# Altium PCB BreakOutBoard_Cyclone.PcbDoc (part 6 of 7) (continued)
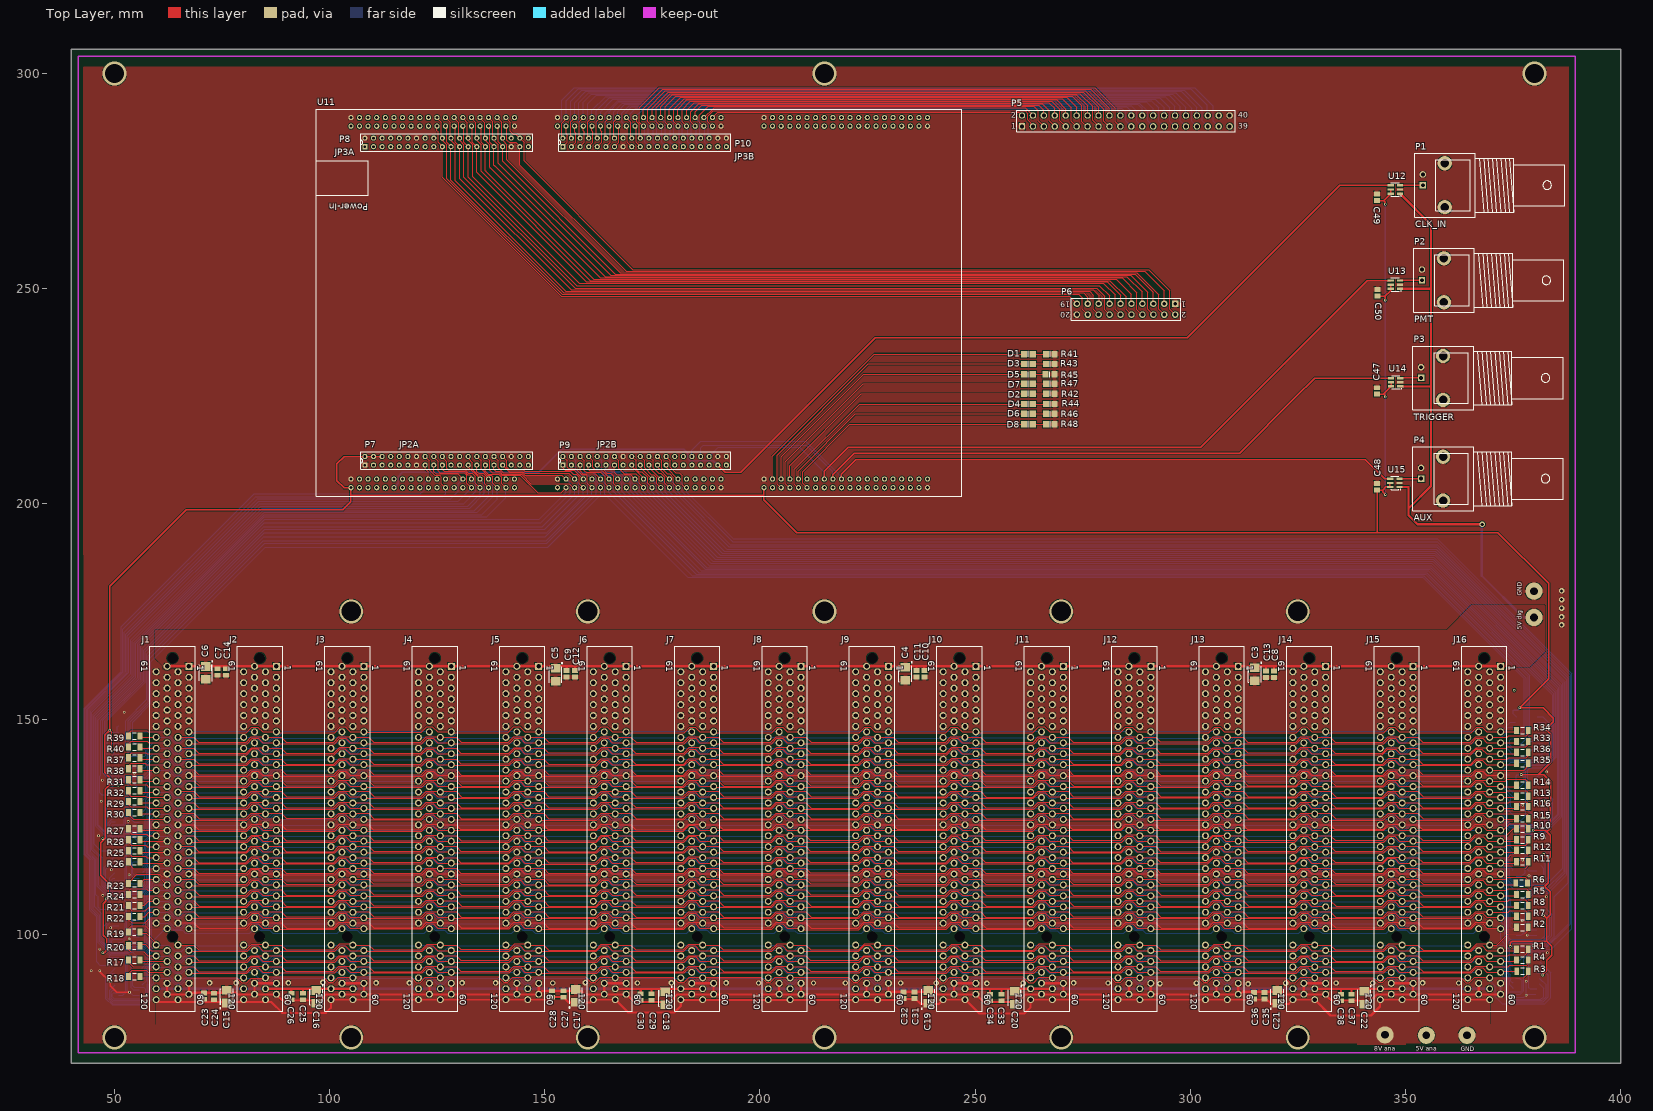
[diagram p0: Top Layer view]
## Nets (pads, with @x,y where several pads share a name; then routed paths per layer and width w, separated by ;. In a path a pad name is that pad's centre, name@x,y a point inside that pad or via, vN(x,y) a via of type N, cw(c..) or ccw(c..) an arc to the next point about the centre after c; other vN are vias at no path point) (continued)
BUS37: P9.1 U1.13 U11.1B8 | length 153.5
  Top Layer w0.15: P9.1@154.2,209 154.2,208.35 154.72,207.83 156.87,207.83 U11.1B8@158.95,205.75
  Bottom Layer w0.15: U1.13@51,143.135 51.835,143.135 52.6,143.9 52.6,149.64 57.5,154.54 57.5,165.15 84.68,192.33 150.14,192.33 160.01,202.2 160.01,204.72 U11.1B8@159.01,205.72
BUS37_N: J1.79 J2.79 J3.79 J4.79 J5.79 J6.79 J7.79 J8.79 J9.79 J10.79 J11.79 J12.79 J13.79 J14.79 J15.79 J16.79 R38.1 U1.14 | length 371.8
  Top Layer w0.15: R38.1@53.3,139.1 53.9,139.7 57.1,139.7 57.418,139.382 J1.79@62.23,139.382
  Bottom Layer w0.15: U1.14@51,144.405 49.605,144.405 48.823,143.623 48.823,137.807 50.12,136.51 57.31,136.51 58.04,137.24 58.04,139.14 58.3,139.4 J1.79@62.3,139.4 ; J1.79@62.1,139.4 62.1,139.1 64.2,137 65.2,137 66.5,138.3 67.9,138.3 69.023,139.422 J2.79@82.45,139.422 ; J2.79@82.42,139.4 82.42,139.1 84.52,137 85.52,137 86.82,138.3 88.22,138.3 89.343,139.422 J3.79@102.77,139.422 ; J3.79@102.74,139.4 102.74,139.1 104.84,137 105.84,137 107.14,138.3 108.54,138.3 109.663,139.422 J4.79@123.09,139.422 ; J4.79@123.06,139.4 123.06,139.1 125.16,137 126.16,137 127.46,138.3 128.86,138.3 129.983,139.422 J5.79@143.41,139.422 ; J5.79@143.38,139.4 143.38,139.1 145.48,137 146.48,137 147.78,138.3 149.18,138.3 150.303,139.422 J6.79@163.73,139.422 ; J6.79@163.7,139.4 163.7,139.1 165.8,137 166.8,137 168.1,138.3 169.5,138.3 170.623,139.422 J7.79@184.05,139.422 ; J7.79@184.02,139.4 184.02,139.1 186.12,137 187.12,137 188.42,138.3 189.82,138.3 190.943,139.422 J8.79@204.37,139.422 ; J8.79@204.34,139.4 204.34,139.1 206.44,137 207.44,137 208.74,138.3 210.14,138.3 211.263,139.422 J9.79@224.69,139.422 ; J9.79@224.66,139.4 224.66,139.1 226.76,137 227.76,137 229.06,138.3 230.46,138.3 231.583,139.422 J10.79@245.01,139.422 ; J10.79@244.98,139.4 244.98,139.1 247.08,137 248.08,137 249.38,138.3 250.78,138.3 251.903,139.422 J11.79@265.33,139.422 ; J11.79@265.3,139.4 265.3,139.1 267.4,137 268.4,137 269.7,138.3 271.1,138.3 272.223,139.422 J12.79@285.65,139.422 ; J12.79@285.62,139.4 285.62,139.1 287.72,137 288.72,137 290.02,138.3 291.42,138.3 292.543,139.422 J13.79@305.97,139.422 ; J13.79@305.94,139.4 305.94,139.1 308.04,137 309.04,137 310.34,138.3 311.74,138.3 312.863,139.422 J14.79@326.29,139.422 ; J14.79@326.26,139.4 326.26,139.1 328.36,137 329.36,137 330.66,138.3 332.06,138.3 333.183,139.422 J15.79@346.61,139.422 ; J15.79@346.58,139.4 346.58,139.1 348.68,137 349.68,137 350.98,138.3 352.38,138.3 353.503,139.422 J16.79@366.93,139.422
BUS37_P: J1.80 J2.80 J3.80 J4.80 J5.80 J6.80 J7.80 J8.80 J9.80 J10.80 J11.80 J12.80 J13.80 J14.80 J15.80 J16.80 R38.2 U1.15 | length 348.9
  Top Layer w0.15: R38.2@56,138.4 56.287,138.112 J1.80@59.69,138.112
  Bottom Layer w0.15: U1.15@50.7,145.7 49.5,145.7 48.43,144.63 48.43,137.69 49.95,136.17 57.59,136.17 58.51,137.09 58.51,137.79 58.832,138.112 J1.80@59.69,138.112 ; J1.80@59.6,138.1 62.5,138.1 63.9,136.7 65.5,136.7 66.8,138 79.758,138 J2.80@79.91,138.152 ; J2.80@79.92,138.1 82.82,138.1 84.22,136.7 85.82,136.7 87.12,138 100.078,138 J3.80@100.23,138.152 ; J3.80@100.24,138.1 103.14,138.1 104.54,136.7 106.14,136.7 107.44,138 120.398,138 J4.80@120.55,138.152 ; J4.80@120.56,138.1 123.46,138.1 124.86,136.7 126.46,136.7 127.76,138 140.718,138 J5.80@140.87,138.152 ; J5.80@140.88,138.1 143.78,138.1 145.18,136.7 146.78,136.7 148.08,138 161.038,138 J6.80@161.19,138.152 ; J6.80@161.2,138.1 164.1,138.1 165.5,136.7 167.1,136.7 168.4,138 181.358,138 J7.80@181.51,138.152 ; J7.80@181.52,138.1 184.42,138.1 185.82,136.7 187.42,136.7 188.72,138 201.678,138 J8.80@201.83,138.152 ; J8.80@201.84,138.1 204.74,138.1 206.14,136.7 207.74,136.7 209.04,138 221.998,138 J9.80@222.15,138.152 ; J9.80@222.16,138.1 225.06,138.1 226.46,136.7 228.06,136.7 229.36,138 242.318,138 J10.80@242.47,138.152 ; J10.80@242.48,138.1 245.38,138.1 246.78,136.7 248.38,136.7 249.68,138 262.638,138 J11.80@262.79,138.152 ; J11.80@262.8,138.1 265.7,138.1 267.1,136.7 268.7,136.7 270,138 282.958,138 J12.80@283.11,138.152 ; J12.80@283.12,138.1 286.02,138.1 287.42,136.7 289.02,136.7 290.32,138 303.278,138 J13.80@303.43,138.152 ; J13.80@303.44,138.1 306.34,138.1 307.74,136.7 309.34,136.7 310.64,138 323.598,138 J14.80@323.75,138.152 ; J14.80@323.76,138.1 326.66,138.1 328.06,136.7 329.66,136.7 330.96,138 343.918,138 J15.80@344.07,138.152 ; J15.80@344.08,138.1 346.98,138.1 348.38,136.7 349.98,136.7 351.28,138 364.238,138 J16.80@364.39,138.152
BUS38: P9.4 U1.3 U11.1B11 | length 156.2
  Bottom Layer w0.15: U1.3@55.8,144.405 54.595,144.405 54.2,144.8 54.2,149.3 58.45,153.55 58.45,163.3 85.05,189.9 150.72,189.9 162.98,202.16 U11.1B11@162.98,203.71 ; P9.4@156.2,211 157.2,210 157.2,207.8 157.7,207.3 161.1,207.3 161.9,206.5 161.9,205.4 162.8,204.5 162.8,203.9 U11.1B11@162.95,203.75
BUS38_N: J1.74 J2.74 J3.74 J4.74 J5.74 J6.74 J7.74 J8.74 J9.74 J10.74 J11.74 J12.74 J13.74 J14.74 J15.74 J16.74 R39.1 U1.2 | length 329.9
  Top Layer w0.15: R39.1@56,146.2 56.467,145.732 J1.74@59.69,145.732
  Bottom Layer w0.15: 56.832,145.732 J1.74@59.69,145.732 ; J1.74@59.6,145.8 62.5,145.8 63.97,144.33 65.43,144.33 66.68,145.58 79.638,145.58 J2.74@79.91,145.852 ; J2.74@79.92,145.8 82.82,145.8 84.31,144.31 85.73,144.31 87,145.58 99.958,145.58 J3.74@100.23,145.852 ; J3.74@100.24,145.8 103.14,145.8 104.6,144.34 106.08,144.34 107.33,145.59 120.288,145.59 J4.74@120.55,145.852 ; J4.74@120.56,145.8 123.46,145.8 124.93,144.33 126.484,144.33 127.714,145.56 140.578,145.56 J5.74@140.87,145.852 ; J5.74@140.88,145.8 143.78,145.8 145.29,144.29 146.724,144.29 147.994,145.56 160.898,145.56 J6.74@161.19,145.852 ; J6.74@161.2,145.8 164.1,145.8 165.595,144.305 167.005,144.305 168.29,145.59 181.248,145.59 J7.74@181.51,145.852 ; J7.74@181.52,145.8 184.42,145.8 185.82,144.4 186.135,144.4 186.137,144.397 187.243,144.397 187.245,144.4 187.42,144.4 188.6,145.58 201.558,145.58 J8.74@201.83,145.852 ; J8.74@201.84,145.8 204.74,145.8 206.25,144.29 207.63,144.29 208.95,145.61 221.908,145.61 J9.74@222.15,145.852 ; J9.74@222.16,145.8 225.06,145.8 226.463,144.397 227.883,144.397 227.885,144.4 228.094,144.4 229.274,145.58 242.198,145.58 J10.74@242.47,145.852 ; J10.74@242.48,145.8 245.38,145.8 246.82,144.36 248.34,144.36 249.62,145.64 262.578,145.64 J11.74@262.79,145.852 ; J11.74@262.8,145.8 265.7,145.8 267.15,144.35 268.65,144.35 269.9,145.6 282.858,145.6 J12.74@283.11,145.852 ; J12.74@283.12,145.8 286.02,145.8 287.44,144.38 289,144.38 290.2,145.58 303.158,145.58 J13.74@303.43,145.852 ; J13.74@303.44,145.8 306.34,145.8 307.82,144.32 309.26,144.32 310.57,145.63 323.528,145.63 J14.74@323.75,145.852 ; J14.74@323.76,145.8 326.66,145.8 328.12,144.34 329.6,144.34 330.89,145.63 343.848,145.63 J15.74@344.07,145.852 ; J15.74@344.08,145.8 346.98,145.8 348.45,144.33 349.91,144.33 351.19,145.61 364.148,145.61 J16.74@364.39,145.852
BUS38_P: J1.73 J2.73 J3.73 J4.73 J5.73 J6.73 J7.73 J8.73 J9.73 J10.73 J11.73 J12.73 J13.73 J14.73 J15.73 J16.73 R39.2 U1.1 | length 349.4
  Top Layer w0.15: R39.2@53.3,146.7 53.9,147.3 57.5,147.3 57.797,147.002 J1.73@62.23,147.002
  Bottom Layer w0.15: U1.1@56.803,147.002 J1.73@62.23,147.002 ; J1.73@62.1,147.1 62.1,146.8 64.27,144.63 65.131,144.63 65.805,145.304 ; 65.805,145.305 66.4,145.9 67.8,145.9 69.023,147.122 J2.73@82.45,147.122 ; J2.73@82.42,147.1 82.42,146.8 84.61,144.61 85.6,144.61 86.87,145.88 88.1,145.88 89.343,147.122 J3.73@102.77,147.122 ; J3.73@102.74,146.8 104.9,144.64 105.781,144.64 106.445,145.304 ; 106.445,145.305 107.03,145.89 108.43,145.89 109.663,147.122 J4.73@123.09,147.122 ; J4.73@123.06,146.8 125.23,144.63 126.36,144.63 127.63,145.9 128.76,145.9 129.983,147.122 J5.73@143.41,147.122 ; J5.73@143.38,146.8 145.59,144.59 146.6,144.59 147.87,145.86 149.04,145.86 150.303,147.122 J6.73@163.73,147.122 ; J6.73@163.7,146.8 165.803,144.697 166.799,144.697 167.405,145.304 ; 167.405,145.305 168,145.9 169.4,145.9 170.623,147.122 J7.73@184.05,147.122 ; J7.73@184.02,146.8 186.12,144.7 186.259,144.7 186.261,144.697 187.119,144.697 187.725,145.304 ; 187.725,145.305 188.32,145.9 189.72,145.9 190.943,147.122 J8.73@204.37,147.122 ; J8.73@204.47,147.002 204.47,146.8 205.91,145.36 205.919,145.36 206.581,144.697 207.439,144.697 208.65,145.909 ; 208.65,145.91 210.05,145.91 211.263,147.122 J9.73@224.69,147.122 ; J9.73@224.66,146.8 226.76,144.7 226.899,144.7 226.901,144.697 227.759,144.697 227.761,144.7 227.97,144.7 229.22,145.95 230.41,145.95 231.583,147.122 J10.73@245.01,147.122 ; J10.73@244.98,146.8 247.12,144.66 248.041,144.66 248.685,145.304 ; 248.685,145.305 249.33,145.95 250.73,145.95 251.903,147.122 J11.73@265.33,147.122 ; J11.73@265.3,146.8 267.45,144.65 268.351,144.65 269.005,145.304 ; 269.005,145.305 269.6,145.9 271,145.9 272.223,147.122 J12.73@285.65,147.122 ; J12.73@285.62,146.8 287.74,144.68 288.701,144.68 289.325,145.304 ; 289.325,145.305 289.92,145.9 291.32,145.9 292.543,147.122 J13.73@305.97,147.122 ; J13.73@305.94,146.8 308.12,144.62 308.961,144.62 309.645,145.304 ; 309.645,145.305 310.27,145.93 311.67,145.93 312.863,147.122 J14.73@326.29,147.122 ; J14.73@326.26,146.8 328.42,144.64 329.301,144.64 329.965,145.304 ; 329.965,145.305 330.61,145.95 332.01,145.95 333.183,147.122 J15.73@346.61,147.122 ; J15.73@346.58,146.8 348.75,144.63 349.73,144.63 351.01,145.91 352.29,145.91 353.503,147.122 J16.73@366.93,147.122
BUS39: P9.3 U1.5 U11.1B10 | length 156.4
  Bottom Layer w0.15: U1.5@55.8,141.865 55.765,141.9 54.1,141.9 53.7,142.3 53.7,149.4 58.1,153.8 58.1,163.95 84.97,190.82 150.51,190.82 161.95,202.26 161.95,204.72 U11.1B10@160.9,205.77 ; P9.3@156.2,209 156.2,207.4 156.8,206.8 159.9,206.8 U11.1B10@160.95,205.75
BUS39_N: J1.75 J2.75 J3.75 J4.75 J5.75 J6.75 J7.75 J8.75 J9.75 J10.75 J11.75 J12.75 J13.75 J14.75 J15.75 J16.75 R40.1 U1.6 | length 355.7
  Top Layer w0.15: R40.1@53.2,144.1 53.9,144.8 57.6,144.8 57.937,144.463 J1.75@62.23,144.463
  Bottom Layer w0.15: U1.6@56.7,140.6 57.3,140.6 57.6,140.9 57.6,143.1 58.963,144.463 J1.75@62.23,144.463 ; J1.75@62.1,144.5 62.1,144.2 64.2,142.1 65.2,142.1 66.5,143.4 67.9,143.4 69.023,144.522 J2.75@82.45,144.522 ; J2.75@82.42,144.5 82.42,144.2 84.52,142.1 85.52,142.1 86.82,143.4 88.22,143.4 89.343,144.522 J3.75@102.77,144.522 ; J3.75@102.74,144.5 102.74,144.2 104.84,142.1 105.84,142.1 107.14,143.4 108.54,143.4 109.663,144.522 J4.75@123.09,144.522 ; J4.75@123.06,144.5 123.06,144.2 125.16,142.1 126.16,142.1 127.46,143.4 128.86,143.4 129.983,144.522 J5.75@143.41,144.522 ; J5.75@143.38,144.5 143.38,144.2 145.48,142.1 146.48,142.1 147.78,143.4 149.18,143.4 150.303,144.522 J6.75@163.73,144.522 ; J6.75@163.7,144.5 163.7,144.2 165.8,142.1 166.8,142.1 168.1,143.4 169.5,143.4 170.623,144.522 J7.75@184.05,144.522 ; J7.75@184.02,144.5 184.02,144.2 186.12,142.1 187.12,142.1 188.42,143.4 189.82,143.4 190.943,144.522 J8.75@204.37,144.522 ; J8.75@204.34,144.5 204.34,144.2 206.44,142.1 207.44,142.1 208.74,143.4 210.14,143.4 211.263,144.522 J9.75@224.69,144.522 ; J9.75@224.66,144.5 224.66,144.2 226.76,142.1 227.76,142.1 229.06,143.4 230.46,143.4 231.583,144.522 J10.75@245.01,144.522 ; J10.75@244.98,144.5 244.98,144.2 247.08,142.1 248.08,142.1 249.38,143.4 250.78,143.4 251.903,144.522 J11.75@265.33,144.522 ; J11.75@265.3,144.5 265.3,144.2 267.4,142.1 268.4,142.1 269.7,143.4 271.1,143.4 272.223,144.522 J12.75@285.65,144.522 ; J12.75@285.62,144.5 285.62,144.2 287.72,142.1 288.72,142.1 290.02,143.4 291.42,143.4 292.543,144.522 J13.75@305.97,144.522 ; J13.75@305.94,144.5 305.94,144.2 308.04,142.1 309.04,142.1 310.34,143.4 311.74,143.4 312.863,144.522 J14.75@326.29,144.522 ; J14.75@326.26,144.5 326.26,144.2 328.36,142.1 329.36,142.1 330.66,143.4 332.06,143.4 333.183,144.522 J15.75@346.61,144.522 ; J15.75@346.58,144.5 346.58,144.2 348.68,142.1 349.68,142.1 350.98,143.4 352.38,143.4 353.503,144.522 J16.75@366.93,144.522
BUS39_P: J1.76 J2.76 J3.76 J4.76 J5.76 J6.76 J7.76 J8.76 J9.76 J10.76 J11.76 J12.76 J13.76 J14.76 J15.76 J16.76 R40.2 U1.7 | length 331.7
  Top Layer w0.15: R40.2@56.1,143.5 56.407,143.192 J1.76@59.69,143.192
  Bottom Layer w0.15: U1.7@56.6,139.3 57.9,140.6 57.9,142.2 58.893,143.192 J1.76@59.69,143.192 ; J1.76@59.6,143.2 62.5,143.2 63.9,141.8 65.5,141.8 66.8,143.1 79.758,143.1 J2.76@79.91,143.252 ; J2.76@79.92,143.2 82.82,143.2 84.22,141.8 85.82,141.8 87.12,143.1 100.078,143.1 J3.76@100.23,143.252 ; J3.76@100.24,143.2 103.14,143.2 104.54,141.8 106.14,141.8 107.44,143.1 120.398,143.1 J4.76@120.55,143.252 ; J4.76@120.56,143.2 123.46,143.2 124.86,141.8 126.46,141.8 127.76,143.1 140.718,143.1 J5.76@140.87,143.252 ; J5.76@140.88,143.2 143.78,143.2 145.18,141.8 146.78,141.8 148.08,143.1 161.038,143.1 J6.76@161.19,143.252 ; J6.76@161.2,143.2 164.1,143.2 165.5,141.8 167.1,141.8 168.4,143.1 181.358,143.1 J7.76@181.51,143.252 ; J7.76@181.52,143.2 184.42,143.2 185.82,141.8 187.42,141.8 188.72,143.1 201.678,143.1 J8.76@201.83,143.252 ; J8.76@201.84,143.2 204.74,143.2 206.14,141.8 207.74,141.8 209.04,143.1 221.998,143.1 J9.76@222.15,143.252 ; J9.76@222.16,143.2 225.06,143.2 226.46,141.8 228.06,141.8 229.36,143.1 242.318,143.1 J10.76@242.47,143.252 ; J10.76@242.48,143.2 245.38,143.2 246.78,141.8 248.38,141.8 249.68,143.1 262.638,143.1 J11.76@262.79,143.252 ; J11.76@262.8,143.2 265.7,143.2 267.1,141.8 268.7,141.8 270,143.1 282.958,143.1 J12.76@283.11,143.252 ; J12.76@283.12,143.2 286.02,143.2 287.42,141.8 289.02,141.8 290.32,143.1 303.278,143.1 J13.76@303.43,143.252 ; J13.76@303.44,143.2 306.34,143.2 307.74,141.8 309.34,141.8 310.64,143.1 323.598,143.1 J14.76@323.75,143.252 ; J14.76@323.76,143.2 326.66,143.2 328.06,141.8 329.66,141.8 330.96,143.1 343.918,143.1 J15.76@344.07,143.252 ; J15.76@344.08,143.2 346.98,143.2 348.38,141.8 349.98,141.8 351.28,143.1 364.238,143.1 J16.76@364.39,143.252
LED_0: D1.1 U11.1C4 | length 73.6
  Top Layer w0.15: U11.1C4@202.9,205.8 202.9,211.1 226.6,234.8 D1.1@261.4,234.8
LED_1: D3.1 U11.1C5 | length 74.2
  Top Layer w0.15: U11.1C5@204.9,203.7 204,204.6 204,211.3 225.2,232.5 D3.1@261.4,232.5
LED_2: D5.1 U11.1C6 | length 69.6
  Top Layer w0.15: U11.1C6@204.9,205.8 204.9,210.9 224.1,230.1 D5.1@261.4,230.1
LED_3: D7.1 U11.1C7 | length 69.5
  Top Layer w0.15: U11.1C7@206.9,203.7 205.9,204.7 205.9,209.8 224,227.9 D7.1@261.4,227.9
LED_4: D2.1 U11.1C8 | length 64.5
  Top Layer w0.15: U11.1C8@206.9,205.8 206.9,208.9 223.6,225.6 D2.1@261.4,225.6
LED_5: D4.1 U11.1C9 | length 64.4
  Top Layer w0.15: U11.1C9@208.9,203.7 208,204.6 208,208 223.2,223.2 D4.1@261.4,223.2
LED_6: D6.1 U11.1C10 | length 59.9
  Top Layer w0.15: U11.1C10@208.9,205.7 208.9,207.6 222.2,220.9 D6.1@261.4,220.9
LED_7: D8.1 U11.1C11 | length 60.3
  Top Layer w0.15: U11.1C11@211,203.7 U11.1C11@210.95,203.75 209.9,204.8 209.9,207.5 220.9,218.5 D8.1@261.4,218.5
NetD1_2: D1.2 R41.2 | length 2.9
  Top Layer w0.15: D1.2@263.6,234.8 R41.2@266.5,234.8
NetD2_2: D2.2 R42.2 | length 2.9
  Top Layer w0.15: D2.2@263.6,225.6 R42.2@266.5,225.6
NetD3_2: D3.2 R43.2 | length 3.1
  Top Layer w0.15: D3.2@263.4,232.5 R43.2@266.5,232.5
NetD4_2: D4.2 R44.2 | length 3.1
  Top Layer w0.15: D4.2@263.4,223.2 R44.2@266.5,223.2
NetD5_2: D5.2 R45.2 | length 2.9
  Top Layer w0.15: D5.2@263.5,230.1 R45.2@266.4,230.1
NetD6_2: D6.2 R46.2 | length 3
  Top Layer w0.15: D6.2@263.5,220.9 R46.2@266.5,220.9
NetD7_2: D7.2 R47.2 | length 3
  Top Layer w0.15: D7.2@263.5,227.9 R47.2@266.5,227.9
NetD8_2: D8.2 R48.2 | length 3.1
  Top Layer w0.15: D8.2@263.4,218.5 R48.2@266.5,218.5
NetP1_1: P1.1 U12.3 | length 5.4
  Top Layer w0.3: U12.3@348.65,274.05 P1.1@354.05,274.05
NetP2_1: P2.1 U13.3 | length 5
  Top Layer w0.3: U13.3@348.85,251.95 P2.1@353.85,251.95
NetP3_1: P3.1 U14.3 | length 4.6
  Top Layer w0.3: U14.3@349.05,229.25 P3.1@353.65,229.25
NetP4_1: P4.1 U15.3 | length 4.9
  Top Layer w0.3: U15.3@348.75,205.85 P4.1@353.65,205.85
PMT_IN: P9.36 U11.1C16 U13.4 | length 183.5
  Top Layer w0.3: U11.1C16@214.9,205.7 214.9,207.6 220.5,213.2 302.45,213.2 341.15,251.9 U13.4@346.575,251.9
  Bottom Layer w0.15: P9.36@188.2,211 190.3,213.1 209.2,213.1 214.95,207.35 U11.1C16@214.95,205.75
TRIGGER_IN: P9.34 U11.1C18 U14.4 | length 177.5
  Top Layer w0.3: U11.1C18@216.9,205.7 216.9,206.8 221.9,211.8 311.5,211.8 324.55,224.85 ; 324.45,224.75 328.9,229.2 U14.4@346.675,229.2
  Bottom Layer w0.15: P9.34@186.2,211 186.2,213 186.8,213.6 210.8,213.6 216.95,207.45 U11.1C18@216.95,205.75
TTL_OUT_0: P5.2 U11.2B3 | length 72.9
  Top Layer w0.15: U11.2B3@188.9,289.7 190.2,291 260.14,291 P5.2@260.9,290.24
TTL_OUT_1: P5.3 U11.2B4 | length 81.4
  Top Layer w0.15: U11.2B4@189,287.7 187.9,288.8 187.9,290.1 189.1,291.3 260.264,291.3 261.6,291.3 262.2,290.7 262.2,289.2 263.44,287.96 P5.3@263.44,287.7
TTL_OUT_2: P5.4 P10.36 U11.2B5 | length 83.4
  Top Layer w0.15: U11.2B5@187,289.7 189.35,292.05 261.65,292.05 263.44,290.26 P5.4@263.44,290.24
  Bottom Layer w0.15: U11.2B5@186.95,289.75 188,288.7 P10.36@188,285
TTL_OUT_3: P5.5 P10.35 U11.2B6 | length 92.3
  Top Layer w0.15: U11.2B6@186.9,287.7 185.9,288.7 185.9,290.3 187.95,292.35 263.65,292.35 264.7,291.3 264.7,288.98 P5.5@265.98,287.7
  Bottom Layer w0.15: U11.2B6@187.2,287.7 187.2,284 P10.35@188.2,283
TTL_OUT_4: P5.6 P10.34 U11.2B7 | length 90
  Top Layer w0.15: U11.2B7@184.95,289.75 184.95,291.15 186.45,292.65 264.85,292.65 266,291.5 P5.6@266,290.2
  Bottom Layer w0.15: U11.2B7@184.95,289.75 186,288.7 P10.34@186,285
TTL_OUT_5: P5.7 P10.33 U11.2B8 | length 97.9
  Top Layer w0.15: U11.2B8@185,287.7 183.9,288.8 183.9,291.1 185.75,292.95 265.65,292.95 267.22,291.38 267.22,289 P5.7@268.52,287.7
  Bottom Layer w0.15: U11.2B8@185.2,287.7 185.2,284 P10.33@186.2,283
TTL_OUT_6: P5.8 P10.32 U11.2B9 | length 95.5
  Top Layer w0.15: U11.2B9@182.95,289.75 182.95,291.45 184.75,293.25 267.15,293.25 268.5,291.9 P5.8@268.5,290.1
  Bottom Layer w0.15: U11.2B9@182.95,289.75 184,288.7 P10.32@184,285
TTL_OUT_7: P5.9 P10.31 U11.2B10 | length 103.5
  Top Layer w0.15: U11.2B10@183,287.7 181.9,288.8 181.9,291.6 183.85,293.55 267.85,293.55 269.7,291.7 269.7,289.06 P5.9@271.06,287.7
  Bottom Layer w0.15: U11.2B10@183.2,287.8 183.2,284 P10.31@184.2,283
TTL_OUT_8: P5.10 P10.30 U11.2B11 | length 100.6
  Top Layer w0.15: U11.2B11@180.95,289.75 180.95,291.75 183.05,293.85 268.985,293.85 271.1,291.735 P5.10@271.1,290.2
  Bottom Layer w0.15: U11.2B11@180.95,289.75 182,288.7 P10.30@182,285
TTL_OUT_9: P5.11 P10.29 U11.2B12 | length 108.6
  Top Layer w0.15: U11.2B12@181,287.8 180,288.8 180,291.7 182.45,294.15 270.24,294.15 272.3,292.09 272.3,288.9 273.5,287.7 P5.11@273.6,287.7
  Bottom Layer w0.15: U11.2B12@181.2,287.7 181.2,284 P10.29@182.2,283
TTL_OUT_10: P5.12 P10.28 U11.2B13 | length 105.8
  Top Layer w0.15: U11.2B13@178.95,289.75 178.95,291.85 181.55,294.45 271.35,294.45 273.6,292.2 P5.12@273.6,290.3
  Bottom Layer w0.15: U11.2B13@178.95,289.75 180,288.7 P10.28@180,285
TTL_OUT_11: P5.13 P10.27 U11.2B14 | length 114.2
  Top Layer w0.15: U11.2B14@178.9,287.8 178,288.7 178,292.3 180.45,294.75 272.55,294.75 274.8,292.5 274.8,288.8 275.9,287.7 P5.13@276.14,287.7
  Bottom Layer w0.15: U11.2B14@179.2,287.7 179.2,284 P10.27@180.2,283
TTL_OUT_12: P5.14 P10.26 U11.2B15 | length 111.6
  Top Layer w0.15: U11.2B15@176.9,289.6 176.9,292.3 179.65,295.05 273.55,295.05 276.14,292.46 P5.14@276.14,290.24
  Bottom Layer w0.15: U11.2B15@176.95,289.75 178,288.7 P10.26@178,285
TTL_OUT_13: P5.15 P10.25 U11.2B16 | length 119
  Top Layer w0.15: U11.2B16@176.95,287.75 175.9,288.8 175.9,292.1 179.15,295.35 274.35,295.35 277.3,292.4 277.3,289.1 P5.15@278.7,287.7
  Bottom Layer w0.15: U11.2B16@177.2,287.6 177.2,284 P10.25@178.2,283
TTL_OUT_14: P5.16 P10.24 U11.2B17 | length 116.2
  Top Layer w0.15: U11.2B17@175,289.6 175,291.9 178.75,295.65 275.15,295.65 278.68,292.12 P5.16@278.68,290.24
  Bottom Layer w0.15: U11.2B17@174.95,289.75 176,288.7 P10.24@176,284.9
TTL_OUT_15: P5.17 P10.23 U11.2B18 | length 123.7
  Top Layer w0.15: U11.2B18@174.95,287.75 173.9,288.8 173.9,291.8 178.05,295.95 275.65,295.95 279.9,291.7 279.9,288.9 P5.17@281.2,287.6
  Bottom Layer w0.15: U11.2B18@175.2,287.7 175.2,284 P10.23@176.2,283
TTL_OUT_16: P5.18 P10.22 U11.2B19 | length 121.1
  Top Layer w0.15: U11.2B19@172.9,289.7 172.9,291.8 177.4,296.3 276.9,296.3 281.22,291.98 P5.18@281.22,290.24
  Bottom Layer w0.15: U11.2B19@172.95,289.75 174,288.7 P10.22@174,284.9
TTL_OUT_17: P5.19 P10.21 U11.2B20 | length 129.2
  Top Layer w0.15: U11.2B20@172.95,287.75 172,288.7 172,292.1 176.6,296.7 277.8,296.7 282.6,291.9 282.6,288.8 P5.19@283.7,287.7
  Bottom Layer w0.15: U11.2B20@173,287.8 173.2,287.6 173.2,284 P10.21@174.2,283
TTL_OUT_18: P5.20 P10.20 U11.2B21 | length 120.1
  Top Layer w0.15: U11.2B21@170.95,289.75 171.4,289.3 171.4,288.8 172,288.2 P10.20@172,284.9
  Bottom Layer w0.15: U11.2B21@170.8,289.7 172.73,291.63 283.17,291.63 283.76,291.04 P5.20@283.76,290.24
TTL_OUT_19: P5.21 P10.19 U11.2B22 | length 128.5
  Top Layer w0.15: U11.2B22@170.95,287.75 171.2,287.5 171.2,284 P10.19@172.2,283
  Bottom Layer w0.15: U11.2B22@170.9,287.7 169.9,288.7 169.9,290.7 171.13,291.93 284.07,291.93 285,291 285,289 P5.21@286.3,287.7
TTL_OUT_20: P5.22 P10.18 U11.2B23 | length 125.8
  Top Layer w0.15: U11.2B23@168.95,289.75 170,288.7 P10.18@170,284.9
  Bottom Layer w0.15: U11.2B23@168.95,289.75 168.95,291.05 170.13,292.23 285.27,292.23 286.3,291.2 P5.22@286.3,290.3
TTL_OUT_21: P5.23 P10.17 U11.2B24 | length 133.8
  Top Layer w0.15: U11.2B24@168.95,287.75 168.95,287.25 169.2,287 169.2,284 P10.17@170.2,283
  Bottom Layer w0.15: U11.2B24@169,287.7 167.9,288.8 167.9,290.8 169.63,292.53 286.27,292.53 287.6,291.2 287.6,288.94 P5.23@288.84,287.7
TTL_OUT_22: P5.24 P10.14 U11.2B25 | length 131.3
  Top Layer w0.15: P10.14@166,284.8 166,288.8 U11.2B25@166.95,289.75
  Bottom Layer w0.15: U11.2B25@166.95,289.75 166.95,291.15 168.63,292.83 287.77,292.83 288.8,291.8 P5.24@288.8,290.2
TTL_OUT_23: P5.25 P10.13 U11.2B26 | length 138.8
  Top Layer w0.15: P10.13@166.2,283 167.2,284 167.2,287.5 U11.2B26@166.95,287.75
  Bottom Layer w0.15: U11.2B26@166.8,287.7 166,288.5 166,291.1 168.03,293.13 288.17,293.13 290.1,291.2 290.1,288.98 P5.25@291.38,287.7
TTL_OUT_24: P5.26 P10.12 U11.2B27 | length 136.2
  Top Layer w0.15: P10.12@164,285 164,288.8 U11.2B27@164.95,289.75
  Bottom Layer w0.15: U11.2B27@164.95,289.75 164.95,291.15 167.23,293.43 289.77,293.43 291.4,291.8 P5.26@291.4,290.2
TTL_OUT_25: P5.27 P10.11 U11.2B28 | length 144.2
  Top Layer w0.15: P10.11@164.2,283 165.2,284 165.2,287.5 U11.2B28@164.95,287.75
  Bottom Layer w0.15: U11.2B28@165,287.7 164,288.7 164,290.8 166.93,293.73 290.97,293.73 292.7,292 292.7,288.92 P5.27@293.92,287.7
TTL_OUT_26: P5.28 P10.10 U11.2B29 | length 141.4
  Top Layer w0.15: P10.10@162,284.8 162,288.8 U11.2B29@162.95,289.75
  Bottom Layer w0.15: U11.2B29@162.95,289.75 162.95,291.15 165.83,294.03 291.87,294.03 293.9,292 P5.28@293.9,290.3
TTL_OUT_27: P5.29 P10.9 U11.2B30 | length 149.6
  Top Layer w0.15: P10.9@162.2,283 163.2,284 163.2,286.5 162.95,286.75 U11.2B30@162.95,287.75
  Bottom Layer w0.15: U11.2B30@163,287.7 162,288.7 162,291.4 164.93,294.33 292.87,294.33 295.2,292 295.2,288.9 296.4,287.7 P5.29@296.46,287.7
TTL_OUT_28: P5.30 P10.8 U11.2B31 | length 146.6
  Top Layer w0.15: P10.8@160,285.1 160,288.8 U11.2B31@160.95,289.75
  Bottom Layer w0.15: U11.2B31@160.95,289.75 160.95,291.45 164.13,294.63 294.17,294.63 296.4,292.4 P5.30@296.4,290.2
TTL_OUT_29: P5.31 P10.7 U11.2B32 | length 155.7
  Top Layer w0.15: P10.7@160.2,283 161.2,284 161.2,286.4 160.95,286.65 U11.2B32@160.95,287.75
  Bottom Layer w0.15: U11.2B32@160.9,287.7 160,288.6 160,293 161.93,294.93 295.07,294.93 297.7,292.3 297.7,289 P5.31@299,287.7
TTL_OUT_30: P5.32 P10.6 U11.2B33 | length 152.9
  Top Layer w0.15: P10.6@158,284.9 158,288.8 U11.2B33@158.95,289.75
  Bottom Layer w0.15: U11.2B33@158.95,289.75 158.95,293.35 160.83,295.23 295.97,295.23 299,292.2 P5.32@299,290.24 P5.32@299,290.2
TTL_OUT_31: P5.33 P10.5 U11.2B34 | length 160.8
  Top Layer w0.15: P10.5@158.2,283 159.2,284 159.2,286.4 158.95,286.65 U11.2B34@158.95,287.75
  Bottom Layer w0.15: U11.2B34@159,287.7 157.9,288.8 157.9,293.2 160.23,295.53 296.67,295.53 300.3,291.9 300.3,288.94 P5.33@301.54,287.7
TTL_OUT_32: P5.34 P10.4 U11.2B35 | length 157.6
  Top Layer w0.15: P10.4@156,285.1 156,288.8 U11.2B35@156.95,289.75
  Bottom Layer w0.15: U11.2B35@156.95,289.75 156.95,293.25 159.53,295.83 297.87,295.83 301.5,292.2 P5.34@301.5,290.3
TTL_OUT_33: P5.35 P10.3 U11.2B36 | length 165.8
  Top Layer w0.15: P10.3@156.2,283 157.2,284 157.2,286.1 156.95,286.35 U11.2B36@156.95,287.75
  Bottom Layer w0.15: U11.2B36@156.9,287.7 156,288.6 156,293.5 158.63,296.13 298.57,296.13 302.78,291.92 302.78,289 P5.35@304.08,287.7
TTL_OUT_34: P5.36 P10.2 U11.2B37 | length 163.4
  Top Layer w0.15: P10.2@154.2,285 153.9,285.3 153.9,288.4 154.95,289.45 U11.2B37@154.95,289.75
  Bottom Layer w0.15: U11.2B37@154.95,289.75 154.95,293.65 157.73,296.43 300.17,296.43 304,292.6 P5.36@304,290.2
TTL_OUT_35: P5.37 P10.1 U11.2B38 | length 171.5
  Top Layer w0.15: P10.1@154.2,283 155.2,284 155.2,285.7 154.95,285.95 U11.2B38@154.95,287.75
  Bottom Layer w0.15: U11.2B38@155,287.7 153.9,288.8 153.9,293.8 156.83,296.73 301.07,296.73 305.4,292.4 305.4,288.92 P5.37@306.62,287.7